# KiCad board solderCurved.kicad_pcb (continued)
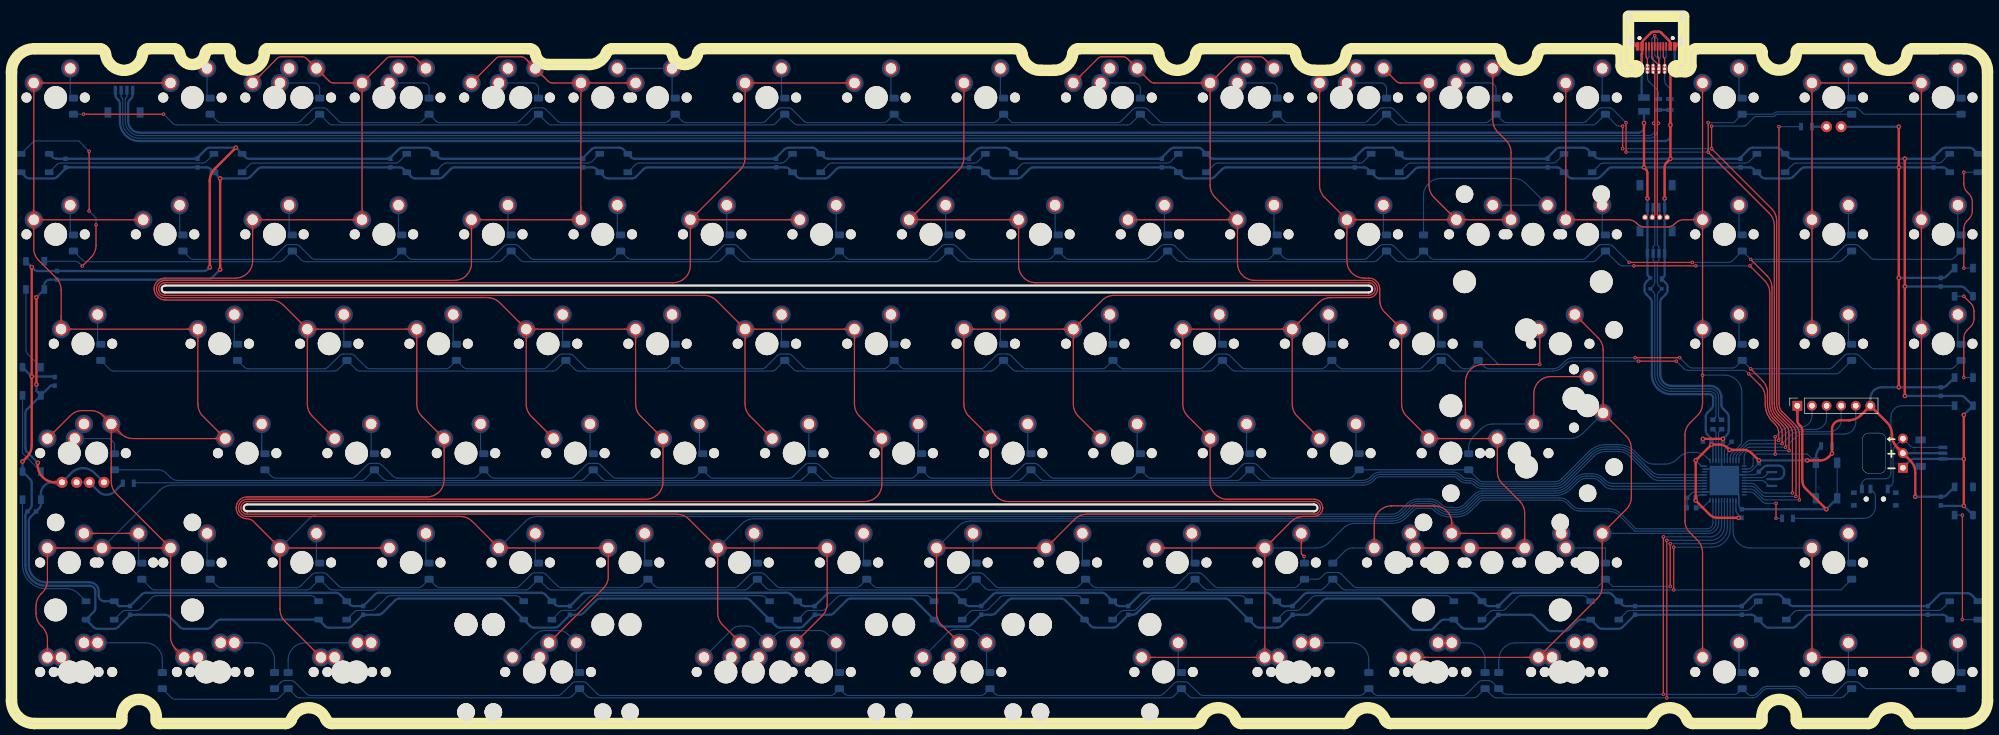
[diagram p0: board, top side]
## Copper pours and planes (outline as drawn; the poured copper is in the pictures) (continued)
Col5 on Bottom: 220.58,30.66 220.48,30.67 220.38,30.67 220.29,30.68 220.21,30.69 220.13,30.71 220.06,30.73 219.99,30.75 219.93,30.77 219.87,30.8 219.81,30.83 219.76,30.86 219.71,30.89 219.66,30.93 219.61,30.96 219.19,31.34 219.13,31.39 219.07,31.43 219.01,31.47 218.94,31.52 218.87,31.56 218.79,31.6 218.71,31.64 217.59,30.56 218.71,29.48 218.79,29.53 218.87,29.57 218.94,29.61 219.01,29.66 219.07,29.7 219.13,29.74 219.19,29.79 219.61,30.17 219.66,30.2 219.71,30.24 219.76,30.27 219.81,30.3 219.87,30.33 219.93,30.36 219.99,30.38 220.06,30.4 220.13,30.42 220.21,30.44 220.29,30.45 220.38,30.46 220.48,30.46 220.58,30.46
Col6 on Top: 263.33,32.95 263.33,32.85 263.33,32.76 263.32,32.67 263.3,32.59 263.29,32.51 263.27,32.44 263.25,32.37 263.22,32.31 263.2,32.25 263.17,32.19 263.14,32.14 263.11,32.09 263.07,32.04 263.03,31.99 262.66,31.56 262.61,31.51 262.57,31.45 262.52,31.38 262.48,31.32 262.44,31.25 262.39,31.17 262.35,31.09 263.43,29.96 264.51,31.09 264.47,31.17 264.43,31.25 264.39,31.32 264.34,31.38 264.3,31.45 264.25,31.51 264.21,31.56 263.83,31.99 263.79,32.04 263.76,32.09 263.73,32.14 263.7,32.19 263.67,32.25 263.64,32.31 263.62,32.37 263.6,32.44 263.58,32.51 263.56,32.59 263.55,32.67 263.54,32.76 263.53,32.85 263.53,32.95
Col6 on Top: 246.77,11.61 246.67,11.62 246.58,11.62 246.49,11.63 246.4,11.64 246.33,11.66 246.25,11.68 246.19,11.7 246.12,11.72 246.06,11.75 246.01,11.78 245.95,11.81 245.9,11.84 245.85,11.88 245.81,11.91 245.38,12.29 245.32,12.34 245.26,12.38 245.2,12.42 245.14,12.47 245.06,12.51 244.99,12.55 244.91,12.59 243.78,11.51 244.91,10.43 244.99,10.48 245.06,10.52 245.14,10.56 245.2,10.61 245.26,10.65 245.32,10.69 245.38,10.74 245.81,11.12 245.85,11.15 245.9,11.19 245.95,11.22 246.01,11.25 246.06,11.28 246.12,11.31 246.19,11.33 246.25,11.35 246.33,11.37 246.4,11.39 246.49,11.4 246.58,11.41 246.67,11.41 246.77,11.41
Col6 on Top: 256.3,30.66 256.2,30.67 256.1,30.67 256.01,30.68 255.93,30.69 255.85,30.71 255.78,30.73 255.71,30.75 255.65,30.77 255.59,30.8 255.53,30.83 255.48,30.86 255.43,30.89 255.38,30.93 255.33,30.96 254.9,31.34 254.85,31.39 254.79,31.43 254.73,31.47 254.66,31.52 254.59,31.56 254.51,31.6 254.43,31.64 253.31,30.56 254.43,29.48 254.51,29.53 254.59,29.57 254.66,29.61 254.73,29.66 254.79,29.7 254.85,29.74 254.9,29.79 255.33,30.17 255.38,30.2 255.43,30.24 255.48,30.27 255.53,30.3 255.59,30.33 255.65,30.36 255.71,30.38 255.78,30.4 255.85,30.42 255.93,30.44 256.01,30.45 256.1,30.46 256.2,30.46 256.3,30.46
Col6 on Top: 256.28,49.51 256.38,49.51 256.48,49.51 256.57,49.5 256.65,49.49 256.73,49.47 256.8,49.45 256.87,49.43 256.93,49.41 256.99,49.38 257.04,49.35 257.1,49.32 257.15,49.29 257.2,49.25 257.25,49.22 257.67,48.84 257.73,48.79 257.79,48.75 257.85,48.71 257.92,48.66 257.99,48.62 258.07,48.58 258.15,48.53 259.27,49.61 258.15,50.69 258.07,50.65 257.99,50.61 257.92,50.57 257.85,50.52 257.79,50.48 257.73,50.44 257.67,50.39 257.25,50.01 257.2,49.98 257.15,49.94 257.1,49.91 257.04,49.88 256.99,49.85 256.93,49.82 256.87,49.8 256.8,49.78 256.73,49.76 256.65,49.74 256.57,49.73 256.48,49.72 256.38,49.72 256.28,49.71
Col6 on Top: 258.66,87.61 258.76,87.61 258.86,87.61 258.95,87.6 259.03,87.59 259.11,87.57 259.18,87.55 259.25,87.53 259.31,87.51 259.37,87.48 259.43,87.45 259.48,87.42 259.53,87.39 259.58,87.35 259.63,87.32 260.06,86.94 260.11,86.89 260.17,86.85 260.23,86.81 260.3,86.76 260.37,86.72 260.45,86.68 260.53,86.63 261.65,87.71 260.53,88.79 260.45,88.75 260.37,88.71 260.3,88.67 260.23,88.62 260.17,88.58 260.11,88.54 260.06,88.49 259.63,88.11 259.58,88.08 259.53,88.04 259.48,88.01 259.43,87.98 259.37,87.95 259.31,87.92 259.25,87.9 259.18,87.88 259.11,87.86 259.03,87.84 258.95,87.83 258.86,87.82 258.76,87.82 258.66,87.81
Col6 on Top: 249.15,49.71 249.05,49.72 248.96,49.72 248.87,49.73 248.79,49.74 248.71,49.76 248.64,49.78 248.57,49.8 248.51,49.82 248.45,49.85 248.39,49.88 248.34,49.91 248.29,49.94 248.24,49.98 248.19,50.01 247.76,50.39 247.7,50.44 247.65,50.48 247.58,50.52 247.52,50.57 247.45,50.61 247.37,50.65 247.29,50.69 246.16,49.61 247.29,48.53 247.37,48.58 247.45,48.62 247.52,48.66 247.58,48.71 247.65,48.75 247.7,48.79 247.76,48.84 248.19,49.22 248.24,49.25 248.29,49.29 248.34,49.32 248.39,49.35 248.45,49.38 248.51,49.41 248.57,49.43 248.64,49.45 248.71,49.47 248.79,49.49 248.87,49.5 248.96,49.51 249.05,49.51 249.15,49.51
Col6 on Top: 273.92,69.59 273.85,69.66 273.79,69.73 273.73,69.8 273.68,69.87 273.64,69.93 273.6,70 273.57,70.06 273.54,70.12 273.52,70.18 273.5,70.24 273.48,70.3 273.47,70.36 273.46,70.42 273.45,70.48 273.42,71.05 273.41,71.12 273.4,71.19 273.39,71.27 273.37,71.35 273.35,71.43 273.33,71.51 273.3,71.6 271.74,71.63 271.77,70.07 271.86,70.04 271.94,70.02 272.02,70 272.1,69.98 272.18,69.97 272.25,69.96 272.32,69.95 272.89,69.92 272.95,69.91 273.01,69.9 273.07,69.89 273.13,69.87 273.19,69.85 273.25,69.83 273.31,69.8 273.37,69.77 273.44,69.73 273.5,69.68 273.57,69.63 273.64,69.58 273.71,69.51 273.78,69.44
Col6 on Top: 258.77,47.22 258.77,47.33 258.78,47.42 258.79,47.51 258.8,47.59 258.81,47.67 258.83,47.74 258.85,47.81 258.88,47.87 258.9,47.93 258.93,47.99 258.96,48.04 259,48.09 259.03,48.14 259.07,48.19 259.45,48.62 259.49,48.67 259.54,48.73 259.58,48.8 259.62,48.86 259.67,48.93 259.71,49.01 259.75,49.09 258.67,50.21 257.59,49.09 257.63,49.01 257.67,48.93 257.72,48.86 257.76,48.8 257.81,48.73 257.85,48.67 257.89,48.62 258.27,48.19 258.31,48.14 258.34,48.09 258.38,48.04 258.41,47.99 258.44,47.93 258.46,47.87 258.49,47.81 258.51,47.74 258.53,47.67 258.54,47.59 258.55,47.51 258.56,47.42 258.57,47.33 258.57,47.22
Col6 on Top: 278.55,34.87 278.47,34.79 278.4,34.73 278.33,34.67 278.27,34.62 278.2,34.58 278.14,34.54 278.07,34.51 278.01,34.48 277.95,34.46 277.89,34.44 277.83,34.42 277.77,34.41 277.71,34.4 277.65,34.39 277.08,34.36 277.01,34.35 276.94,34.34 276.86,34.33 276.78,34.31 276.7,34.29 276.62,34.27 276.53,34.24 276.5,32.68 278.06,32.71 278.09,32.8 278.11,32.88 278.13,32.96 278.15,33.04 278.16,33.12 278.17,33.19 278.18,33.26 278.22,33.83 278.22,33.89 278.23,33.95 278.25,34.01 278.26,34.07 278.28,34.13 278.3,34.19 278.33,34.25 278.37,34.31 278.4,34.38 278.45,34.44 278.5,34.51 278.55,34.58 278.62,34.65 278.69,34.72
Col6 on Top: 249.77,89.33 249.84,89.26 249.9,89.19 249.96,89.12 250.01,89.05 250.05,88.99 250.09,88.92 250.12,88.86 250.15,88.8 250.17,88.74 250.19,88.68 250.21,88.62 250.22,88.56 250.23,88.5 250.24,88.44 250.27,87.87 250.28,87.8 250.29,87.73 250.3,87.65 250.32,87.57 250.34,87.49 250.36,87.41 250.39,87.32 251.95,87.29 251.92,88.85 251.83,88.88 251.75,88.9 251.67,88.92 251.59,88.94 251.51,88.95 251.44,88.96 251.37,88.97 250.8,89 250.74,89.01 250.68,89.02 250.62,89.03 250.56,89.05 250.5,89.07 250.44,89.09 250.38,89.12 250.32,89.15 250.25,89.19 250.19,89.23 250.12,89.28 250.05,89.34 249.98,89.4 249.91,89.48
Col6 on Top: 240.24,70.28 240.31,70.21 240.37,70.14 240.43,70.07 240.48,70 240.52,69.94 240.56,69.87 240.6,69.81 240.62,69.75 240.65,69.69 240.67,69.63 240.68,69.57 240.69,69.51 240.7,69.45 240.71,69.39 240.75,68.82 240.76,68.75 240.77,68.68 240.78,68.6 240.8,68.52 240.82,68.44 240.84,68.36 240.87,68.27 242.43,68.24 242.4,69.8 242.31,69.83 242.22,69.85 242.14,69.87 242.07,69.89 241.99,69.9 241.92,69.91 241.85,69.92 241.28,69.95 241.22,69.96 241.16,69.97 241.1,69.98 241.04,70 240.98,70.02 240.92,70.04 240.86,70.07 240.79,70.1 240.73,70.14 240.66,70.18 240.6,70.23 240.53,70.29 240.46,70.35 240.38,70.43
Col6 on Top: 245,51.23 245.07,51.16 245.14,51.09 245.19,51.02 245.24,50.95 245.29,50.89 245.33,50.82 245.36,50.76 245.39,50.7 245.41,50.64 245.43,50.58 245.44,50.52 245.46,50.46 245.47,50.4 245.48,50.34 245.51,49.77 245.52,49.7 245.53,49.63 245.54,49.55 245.56,49.47 245.58,49.39 245.6,49.31 245.63,49.22 247.19,49.19 247.16,50.75 247.07,50.78 246.99,50.8 246.91,50.82 246.83,50.84 246.75,50.85 246.68,50.86 246.61,50.87 246.04,50.9 245.98,50.91 245.92,50.92 245.86,50.93 245.8,50.95 245.74,50.97 245.68,50.99 245.62,51.02 245.56,51.05 245.49,51.09 245.43,51.13 245.36,51.18 245.29,51.24 245.22,51.3 245.14,51.38
Col6 on Top: 251.52,30.46 251.62,30.46 251.71,30.46 251.8,30.45 251.89,30.44 251.96,30.42 252.04,30.4 252.1,30.38 252.17,30.36 252.23,30.33 252.28,30.3 252.34,30.27 252.39,30.24 252.44,30.2 252.48,30.17 252.91,29.79 252.97,29.74 253.03,29.7 253.09,29.66 253.16,29.61 253.23,29.57 253.3,29.53 253.38,29.48 254.51,30.56 253.38,31.64 253.3,31.6 253.23,31.56 253.16,31.52 253.09,31.47 253.03,31.43 252.97,31.39 252.91,31.34 252.48,30.96 252.44,30.93 252.39,30.89 252.34,30.86 252.28,30.83 252.23,30.8 252.17,30.77 252.1,30.75 252.04,30.73 251.96,30.71 251.89,30.69 251.8,30.68 251.71,30.67 251.62,30.67 251.52,30.66
Col6 on Top: 242.1,66.27 242.1,66.38 242.11,66.47 242.12,66.56 242.13,66.64 242.15,66.72 242.16,66.79 242.19,66.86 242.21,66.92 242.24,66.98 242.26,67.04 242.3,67.09 242.33,67.14 242.36,67.19 242.4,67.24 242.78,67.67 242.82,67.72 242.87,67.78 242.91,67.85 242.95,67.91 243,67.98 243.04,68.06 243.08,68.14 242,69.26 240.92,68.14 240.96,68.06 241.01,67.98 241.05,67.91 241.09,67.85 241.14,67.78 241.18,67.72 241.23,67.67 241.6,67.24 241.64,67.19 241.67,67.14 241.71,67.09 241.74,67.04 241.77,66.98 241.79,66.92 241.82,66.86 241.84,66.79 241.86,66.72 241.87,66.64 241.89,66.56 241.89,66.47 241.9,66.38 241.9,66.27
Col6 on Top: 227.81,109.14 227.82,109.24 227.82,109.33 227.83,109.42 227.84,109.51 227.86,109.58 227.88,109.65 227.9,109.72 227.92,109.79 227.95,109.85 227.98,109.9 228.01,109.96 228.04,110.01 228.08,110.06 228.11,110.1 228.49,110.53 228.53,110.59 228.58,110.65 228.62,110.71 228.67,110.77 228.71,110.85 228.75,110.92 228.79,111 227.71,112.13 226.63,111 226.68,110.92 226.72,110.85 226.76,110.77 226.8,110.71 226.85,110.65 226.89,110.59 226.94,110.53 227.32,110.1 227.35,110.06 227.39,110.01 227.42,109.96 227.45,109.9 227.48,109.85 227.51,109.79 227.53,109.72 227.55,109.65 227.57,109.58 227.59,109.51 227.6,109.42 227.61,109.33 227.61,109.24 227.61,109.14
Col6 on Top: 240.59,112.45 240.52,112.52 240.45,112.59 240.4,112.66 240.35,112.73 240.3,112.79 240.27,112.86 240.23,112.92 240.2,112.98 240.18,113.04 240.16,113.1 240.15,113.16 240.13,113.22 240.12,113.28 240.12,113.34 240.08,113.91 240.07,113.98 240.06,114.06 240.05,114.13 240.03,114.21 240.01,114.29 239.99,114.37 239.96,114.46 238.4,114.49 238.43,112.93 238.52,112.91 238.6,112.88 238.68,112.86 238.76,112.84 238.84,112.83 238.91,112.82 238.98,112.81 239.55,112.78 239.61,112.77 239.67,112.76 239.73,112.75 239.79,112.73 239.85,112.71 239.91,112.69 239.97,112.66 240.04,112.63 240.1,112.59 240.17,112.55 240.23,112.5 240.3,112.44 240.37,112.38 240.45,112.31
Col6 on Top: 246.77,30.66 246.67,30.67 246.58,30.67 246.49,30.68 246.4,30.69 246.33,30.71 246.25,30.73 246.19,30.75 246.12,30.77 246.06,30.8 246.01,30.83 245.95,30.86 245.9,30.89 245.85,30.93 245.81,30.96 245.38,31.34 245.32,31.39 245.26,31.43 245.2,31.47 245.14,31.52 245.06,31.56 244.99,31.6 244.91,31.64 243.78,30.56 244.91,29.48 244.99,29.53 245.06,29.57 245.14,29.61 245.2,29.66 245.26,29.7 245.32,29.74 245.38,29.79 245.81,30.17 245.85,30.2 245.9,30.24 245.95,30.27 246.01,30.3 246.06,30.33 246.12,30.36 246.19,30.38 246.25,30.4 246.33,30.42 246.4,30.44 246.49,30.45 246.58,30.46 246.67,30.46 246.77,30.46
Col6 on Top: 267.43,13.28 267.36,13.2 267.29,13.14 267.22,13.08 267.15,13.03 267.09,12.99 267.02,12.95 266.96,12.92 266.9,12.89 266.84,12.87 266.78,12.85 266.72,12.83 266.66,12.82 266.6,12.81 266.54,12.8 265.97,12.77 265.9,12.76 265.83,12.75 265.75,12.74 265.67,12.72 265.59,12.7 265.51,12.68 265.42,12.65 265.39,11.09 266.95,11.12 266.98,11.21 267,11.29 267.02,11.37 267.04,11.45 267.05,11.53 267.06,11.6 267.07,11.67 267.1,12.24 267.11,12.3 267.12,12.36 267.13,12.42 267.15,12.48 267.17,12.54 267.19,12.6 267.22,12.66 267.25,12.72 267.29,12.79 267.33,12.85 267.38,12.92 267.44,12.99 267.5,13.06 267.57,13.13
Col6 on Top: 276.99,56.45 276.98,56.35 276.98,56.25 276.97,56.16 276.96,56.08 276.94,56 276.92,55.93 276.9,55.86 276.88,55.8 276.85,55.74 276.82,55.68 276.79,55.63 276.76,55.58 276.72,55.53 276.69,55.48 276.31,55.06 276.26,55 276.22,54.94 276.18,54.88 276.13,54.81 276.09,54.74 276.05,54.66 276.01,54.58 277.09,53.46 278.17,54.58 278.12,54.66 278.08,54.74 278.04,54.81 277.99,54.88 277.95,54.94 277.91,55 277.86,55.06 277.48,55.48 277.45,55.53 277.41,55.58 277.38,55.63 277.35,55.68 277.32,55.74 277.29,55.8 277.27,55.86 277.25,55.93 277.23,56 277.21,56.08 277.2,56.16 277.19,56.25 277.19,56.35 277.19,56.45
Col6 on Top: 260.95,90.1 260.95,90 260.94,89.91 260.94,89.82 260.92,89.74 260.91,89.66 260.89,89.59 260.87,89.52 260.84,89.46 260.82,89.4 260.79,89.34 260.76,89.29 260.72,89.24 260.69,89.19 260.65,89.14 260.28,88.71 260.23,88.66 260.19,88.6 260.14,88.53 260.1,88.47 260.06,88.4 260.01,88.32 259.97,88.24 261.05,87.11 262.13,88.24 262.09,88.32 262.05,88.4 262,88.47 261.96,88.53 261.92,88.6 261.87,88.66 261.83,88.71 261.45,89.14 261.41,89.19 261.38,89.24 261.35,89.29 261.31,89.34 261.29,89.4 261.26,89.46 261.24,89.52 261.21,89.59 261.2,89.66 261.18,89.74 261.17,89.82 261.16,89.91 261.15,90 261.15,90.1
Col6 on Top: 232.58,85.32 232.58,85.43 232.58,85.52 232.59,85.61 232.61,85.69 232.62,85.77 232.64,85.84 232.66,85.91 232.68,85.97 232.71,86.03 232.74,86.09 232.77,86.14 232.8,86.19 232.84,86.24 232.87,86.29 233.25,86.72 233.3,86.77 233.34,86.83 233.39,86.9 233.43,86.96 233.47,87.03 233.52,87.11 233.56,87.19 232.48,88.31 231.4,87.19 231.44,87.11 231.48,87.03 231.52,86.96 231.57,86.9 231.61,86.83 231.66,86.77 231.7,86.72 232.08,86.29 232.11,86.24 232.15,86.19 232.18,86.14 232.21,86.09 232.24,86.03 232.27,85.97 232.29,85.91 232.31,85.84 232.33,85.77 232.35,85.69 232.36,85.61 232.37,85.52 232.37,85.43 232.38,85.32
Col6 on Top: 278.85,52.44 278.78,52.51 278.71,52.58 278.66,52.65 278.61,52.72 278.56,52.79 278.52,52.85 278.49,52.91 278.46,52.98 278.44,53.04 278.42,53.1 278.4,53.16 278.39,53.22 278.38,53.27 278.37,53.33 278.34,53.9 278.33,53.97 278.32,54.05 278.31,54.12 278.29,54.2 278.27,54.28 278.25,54.37 278.22,54.45 276.66,54.48 276.69,52.93 276.78,52.9 276.86,52.87 276.94,52.85 277.02,52.84 277.1,52.82 277.17,52.81 277.24,52.81 277.81,52.77 277.87,52.76 277.93,52.75 277.99,52.74 278.05,52.72 278.11,52.7 278.17,52.68 278.23,52.65 278.29,52.62 278.36,52.58 278.42,52.54 278.49,52.49 278.56,52.43 278.63,52.37 278.7,52.3
Col6 on Top: 249.12,87.61 249.22,87.61 249.32,87.61 249.41,87.6 249.49,87.59 249.57,87.57 249.64,87.55 249.71,87.53 249.77,87.51 249.83,87.48 249.89,87.45 249.94,87.42 250,87.39 250.05,87.35 250.09,87.32 250.53,86.94 250.58,86.89 250.64,86.85 250.71,86.81 250.77,86.76 250.84,86.72 250.92,86.68 251,86.63 252.13,87.71 251,88.79 250.92,88.75 250.84,88.71 250.77,88.67 250.71,88.62 250.64,88.58 250.58,88.53 250.53,88.49 250.09,88.11 250.05,88.08 250,88.04 249.94,88.01 249.89,87.98 249.83,87.95 249.77,87.92 249.71,87.9 249.64,87.88 249.57,87.86 249.49,87.84 249.41,87.83 249.32,87.82 249.22,87.82 249.12,87.81
Col6 on Top: 253.92,87.81 253.81,87.82 253.72,87.82 253.63,87.83 253.55,87.84 253.47,87.86 253.4,87.88 253.33,87.9 253.27,87.92 253.21,87.95 253.15,87.98 253.1,88.01 253.05,88.04 253,88.08 252.95,88.11 252.52,88.49 252.47,88.54 252.41,88.58 252.35,88.62 252.28,88.67 252.21,88.71 252.13,88.75 252.05,88.79 250.93,87.71 252.05,86.63 252.13,86.68 252.21,86.72 252.28,86.76 252.35,86.81 252.41,86.85 252.47,86.89 252.52,86.94 252.95,87.32 253,87.35 253.05,87.39 253.1,87.42 253.15,87.45 253.21,87.48 253.27,87.51 253.33,87.53 253.4,87.55 253.47,87.57 253.55,87.59 253.63,87.6 253.72,87.61 253.81,87.61 253.92,87.61
Col6 on Top: 234.87,87.81 234.76,87.82 234.67,87.82 234.58,87.83 234.5,87.84 234.42,87.86 234.35,87.88 234.28,87.9 234.22,87.92 234.16,87.95 234.1,87.98 234.05,88.01 234,88.04 233.95,88.08 233.9,88.11 233.47,88.49 233.42,88.54 233.36,88.58 233.3,88.62 233.23,88.67 233.16,88.71 233.08,88.75 233,88.79 231.88,87.71 233,86.63 233.08,86.68 233.16,86.72 233.23,86.76 233.3,86.81 233.36,86.85 233.42,86.89 233.47,86.94 233.9,87.32 233.95,87.35 234,87.39 234.05,87.42 234.1,87.45 234.16,87.48 234.22,87.51 234.28,87.53 234.35,87.55 234.42,87.57 234.5,87.59 234.58,87.6 234.67,87.61 234.76,87.61 234.87,87.61
Col6 on Top: 263.42,11.41 263.53,11.41 263.62,11.41 263.71,11.4 263.79,11.39 263.87,11.37 263.94,11.35 264.01,11.33 264.07,11.31 264.13,11.28 264.19,11.25 264.24,11.22 264.29,11.19 264.34,11.15 264.39,11.12 264.82,10.74 264.87,10.69 264.93,10.65 265,10.61 265.06,10.56 265.13,10.52 265.21,10.48 265.29,10.43 266.41,11.51 265.29,12.59 265.21,12.55 265.13,12.51 265.06,12.47 264.99,12.42 264.93,12.38 264.87,12.34 264.82,12.29 264.39,11.91 264.34,11.88 264.29,11.84 264.24,11.81 264.19,11.78 264.13,11.75 264.07,11.72 264.01,11.7 263.94,11.68 263.87,11.66 263.79,11.64 263.71,11.63 263.62,11.62 263.53,11.62 263.42,11.61
Col6 on Top: 277.03,30.71 277.03,30.82 277.03,30.91 277.04,31 277.06,31.08 277.07,31.16 277.09,31.23 277.11,31.3 277.13,31.36 277.16,31.42 277.19,31.48 277.22,31.53 277.25,31.58 277.29,31.63 277.32,31.68 277.7,32.11 277.75,32.16 277.79,32.22 277.84,32.29 277.88,32.35 277.92,32.42 277.97,32.5 278.01,32.58 276.93,33.7 275.85,32.58 275.89,32.5 275.93,32.42 275.97,32.35 276.02,32.29 276.06,32.22 276.11,32.16 276.15,32.11 276.53,31.68 276.56,31.63 276.6,31.58 276.63,31.53 276.66,31.48 276.69,31.42 276.72,31.36 276.74,31.3 276.76,31.23 276.78,31.16 276.8,31.08 276.81,31 276.82,30.91 276.82,30.82 276.83,30.71
Col6 on Top: 230.72,89.33 230.79,89.26 230.85,89.19 230.91,89.12 230.96,89.05 231,88.99 231.04,88.92 231.07,88.86 231.1,88.8 231.12,88.74 231.14,88.68 231.16,88.62 231.17,88.56 231.18,88.5 231.19,88.44 231.22,87.87 231.23,87.8 231.24,87.73 231.25,87.65 231.27,87.57 231.29,87.49 231.31,87.41 231.34,87.32 232.9,87.29 232.87,88.85 232.78,88.88 232.7,88.9 232.62,88.92 232.54,88.94 232.46,88.95 232.39,88.96 232.32,88.97 231.75,89 231.69,89.01 231.63,89.02 231.57,89.03 231.51,89.05 231.45,89.07 231.39,89.09 231.33,89.12 231.27,89.15 231.2,89.19 231.14,89.23 231.07,89.28 231,89.34 230.93,89.4 230.86,89.48
Col6 on Top: 257.98,111.68 257.98,111.78 257.98,111.87 257.99,111.96 258.01,112.05 258.02,112.12 258.04,112.19 258.06,112.26 258.08,112.33 258.11,112.39 258.14,112.44 258.17,112.5 258.2,112.55 258.24,112.6 258.27,112.64 258.65,113.07 258.7,113.13 258.74,113.19 258.79,113.25 258.83,113.31 258.87,113.39 258.92,113.46 258.96,113.54 257.88,114.67 256.8,113.54 256.84,113.46 256.88,113.39 256.92,113.31 256.97,113.25 257.01,113.19 257.06,113.13 257.1,113.07 257.48,112.64 257.51,112.6 257.55,112.55 257.58,112.5 257.61,112.44 257.64,112.39 257.67,112.33 257.69,112.26 257.71,112.19 257.73,112.12 257.75,112.05 257.76,111.96 257.77,111.87 257.77,111.78 257.78,111.68
Col6 on Top: 261.04,30.46 261.14,30.46 261.24,30.46 261.33,30.45 261.41,30.44 261.49,30.42 261.56,30.4 261.63,30.38 261.69,30.36 261.75,30.33 261.81,30.3 261.86,30.27 261.91,30.24 261.96,30.2 262.01,30.17 262.44,29.79 262.49,29.74 262.55,29.7 262.61,29.66 262.68,29.61 262.75,29.57 262.83,29.53 262.91,29.48 264.03,30.56 262.91,31.64 262.83,31.6 262.75,31.56 262.68,31.52 262.61,31.47 262.55,31.43 262.49,31.39 262.44,31.34 262.01,30.96 261.96,30.93 261.91,30.89 261.86,30.86 261.81,30.83 261.75,30.8 261.69,30.77 261.63,30.75 261.56,30.73 261.49,30.71 261.41,30.69 261.33,30.68 261.24,30.67 261.14,30.67 261.04,30.66
Col6 on Top: 244.37,111.43 244.48,111.43 244.57,111.42 244.66,111.41 244.74,111.4 244.82,111.38 244.89,111.36 244.96,111.34 245.02,111.32 245.08,111.29 245.14,111.26 245.19,111.23 245.24,111.2 245.29,111.17 245.34,111.13 245.77,110.75 245.82,110.71 245.88,110.66 245.95,110.62 246.01,110.57 246.08,110.53 246.16,110.49 246.24,110.45 247.36,111.53 246.24,112.61 246.16,112.57 246.08,112.52 246.01,112.48 245.95,112.44 245.88,112.39 245.82,112.35 245.77,112.3 245.34,111.93 245.29,111.89 245.24,111.85 245.19,111.82 245.14,111.79 245.08,111.76 245.02,111.73 244.96,111.71 244.89,111.69 244.82,111.67 244.74,111.66 244.66,111.64 244.57,111.63 244.48,111.63 244.37,111.63
Col6 on Top: 246.86,109.14 246.87,109.24 246.87,109.33 246.88,109.42 246.89,109.51 246.91,109.58 246.93,109.65 246.95,109.72 246.97,109.79 247,109.85 247.03,109.9 247.06,109.96 247.09,110.01 247.13,110.06 247.16,110.1 247.54,110.53 247.58,110.59 247.63,110.65 247.67,110.71 247.72,110.77 247.76,110.85 247.8,110.92 247.84,111 246.76,112.13 245.68,111 245.73,110.92 245.77,110.85 245.81,110.77 245.85,110.71 245.9,110.65 245.94,110.59 245.99,110.53 246.37,110.1 246.4,110.06 246.44,110.01 246.47,109.96 246.5,109.9 246.53,109.85 246.56,109.79 246.58,109.72 246.6,109.65 246.62,109.58 246.64,109.51 246.65,109.42 246.66,109.33 246.66,109.24 246.66,109.14
Col6 on Bottom: 274.9,51.73 275,51.83 275.09,51.91 275.19,51.99 275.28,52.05 275.37,52.11 275.45,52.16 275.54,52.21 275.62,52.24 275.7,52.27 275.78,52.3 275.86,52.32 275.94,52.33 276.02,52.34 276.1,52.35 276.18,52.36 276.26,52.36 276.69,52.38 276.78,52.38 276.87,52.39 276.97,52.4 277.06,52.41 277.17,52.43 277.27,52.45 277.38,52.48 277.49,52.51 277.61,52.55 277.65,54.63 275.57,54.58 275.54,54.47 275.5,54.35 275.48,54.25 275.46,54.14 275.44,54.04 275.43,53.94 275.42,53.84 275.41,53.75 275.4,53.66 275.39,53.24 275.39,53.16 275.38,53.08 275.37,53 275.36,52.92 275.34,52.84 275.32,52.76 275.3,52.68 275.27,52.59 275.23,52.51 275.19,52.43 275.14,52.34 275.08,52.25 275.01,52.16 274.94,52.07 274.85,51.97 274.76,51.87
Col6 on Bottom: 279.32,33.2 279.21,33.21 279.12,33.21 279.03,33.22 278.95,33.23 278.87,33.25 278.8,33.27 278.73,33.29 278.67,33.31 278.61,33.34 278.55,33.37 278.5,33.4 278.45,33.43 278.4,33.47 278.35,33.5 277.92,33.88 277.87,33.93 277.81,33.97 277.75,34.01 277.68,34.06 277.61,34.1 277.53,34.14 277.45,34.18 276.33,33.1 277.45,32.02 277.53,32.07 277.61,32.11 277.68,32.15 277.75,32.2 277.81,32.24 277.87,32.28 277.92,32.33 278.35,32.71 278.4,32.74 278.45,32.78 278.5,32.81 278.55,32.84 278.61,32.87 278.67,32.9 278.73,32.92 278.8,32.94 278.87,32.96 278.95,32.98 279.03,32.99 279.12,33 279.21,33 279.32,33
Col6 on Bottom: 261.06,49.71 260.96,49.72 260.86,49.72 260.77,49.73 260.69,49.74 260.61,49.76 260.54,49.78 260.47,49.8 260.41,49.82 260.35,49.85 260.3,49.88 260.24,49.91 260.19,49.94 260.14,49.98 260.09,50.01 259.67,50.39 259.61,50.44 259.55,50.48 259.49,50.52 259.42,50.57 259.35,50.61 259.28,50.65 259.19,50.69 258.07,49.61 259.19,48.53 259.28,48.58 259.35,48.62 259.42,48.66 259.49,48.71 259.55,48.75 259.61,48.79 259.67,48.84 260.09,49.22 260.14,49.25 260.19,49.29 260.24,49.32 260.3,49.35 260.35,49.38 260.41,49.41 260.47,49.43 260.54,49.45 260.61,49.47 260.69,49.49 260.77,49.5 260.86,49.51 260.96,49.51 261.06,49.51
Col6 on Bottom: 275.47,52.3 275.54,52.37 275.61,52.43 275.68,52.49 275.75,52.54 275.81,52.58 275.88,52.62 275.94,52.65 276,52.68 276.06,52.7 276.12,52.72 276.18,52.74 276.24,52.75 276.3,52.76 276.36,52.77 276.93,52.81 277,52.81 277.07,52.82 277.15,52.84 277.23,52.85 277.31,52.87 277.39,52.9 277.48,52.93 277.51,54.48 275.95,54.45 275.92,54.37 275.9,54.28 275.88,54.2 275.86,54.12 275.85,54.05 275.84,53.97 275.83,53.9 275.8,53.33 275.79,53.27 275.78,53.22 275.77,53.16 275.75,53.1 275.73,53.04 275.71,52.98 275.68,52.91 275.65,52.85 275.61,52.79 275.57,52.72 275.52,52.65 275.46,52.58 275.4,52.51 275.32,52.44
Col6 on Bottom: 280.12,33.2 279.98,33.21 279.85,33.21 279.73,33.23 279.62,33.24 279.52,33.27 279.42,33.29 279.33,33.32 279.25,33.35 279.17,33.39 279.09,33.43 279.02,33.47 278.96,33.52 278.89,33.57 278.83,33.62 278.77,33.67 278.71,33.72 278.4,34.01 278.33,34.07 278.26,34.13 278.18,34.19 278.11,34.25 278.02,34.31 277.93,34.37 277.84,34.43 277.73,34.49 277.62,34.54 276.13,33.1 277.62,31.66 277.73,31.72 277.84,31.78 277.93,31.84 278.02,31.9 278.11,31.96 278.18,32.02 278.26,32.08 278.33,32.14 278.4,32.2 278.71,32.49 278.77,32.54 278.83,32.59 278.89,32.64 278.96,32.69 279.02,32.74 279.09,32.78 279.17,32.82 279.25,32.86 279.33,32.89 279.42,32.92 279.52,32.94 279.62,32.96 279.73,32.98 279.85,32.99 279.98,33 280.12,33
Col6 on Bottom: 261.86,49.71 261.72,49.72 261.6,49.72 261.48,49.74 261.37,49.75 261.26,49.78 261.17,49.8 261.08,49.83 260.99,49.86 260.91,49.9 260.84,49.94 260.77,49.98 260.7,50.03 260.63,50.08 260.57,50.13 260.51,50.18 260.45,50.23 260.14,50.52 260.07,50.58 260,50.64 259.93,50.7 259.85,50.76 259.77,50.82 259.68,50.88 259.58,50.94 259.48,51 259.37,51.05 257.87,49.61 259.37,48.17 259.48,48.23 259.58,48.29 259.68,48.35 259.77,48.41 259.85,48.47 259.93,48.53 260,48.59 260.07,48.65 260.14,48.71 260.45,49 260.51,49.05 260.57,49.1 260.63,49.15 260.7,49.2 260.77,49.25 260.84,49.29 260.91,49.33 260.99,49.37 261.08,49.4 261.17,49.43 261.26,49.45 261.37,49.47 261.48,49.49 261.6,49.5 261.72,49.51 261.86,49.51
Col7 on Top: 270.68,109.14 270.68,109.24 270.68,109.33 270.69,109.42 270.71,109.51 270.72,109.58 270.74,109.65 270.76,109.72 270.78,109.79 270.81,109.85 270.84,109.9 270.87,109.96 270.9,110.01 270.94,110.06 270.97,110.1 271.35,110.53 271.4,110.59 271.44,110.65 271.49,110.71 271.53,110.77 271.57,110.85 271.62,110.92 271.66,111 270.58,112.13 269.5,111 269.54,110.92 269.58,110.85 269.62,110.77 269.67,110.71 269.71,110.65 269.76,110.59 269.8,110.53 270.18,110.1 270.21,110.06 270.25,110.01 270.28,109.96 270.31,109.9 270.34,109.85 270.37,109.79 270.39,109.72 270.41,109.65 270.43,109.58 270.45,109.51 270.46,109.42 270.47,109.33 270.47,109.24 270.48,109.14